# KiCad board processed.kicad_pcb (continued)
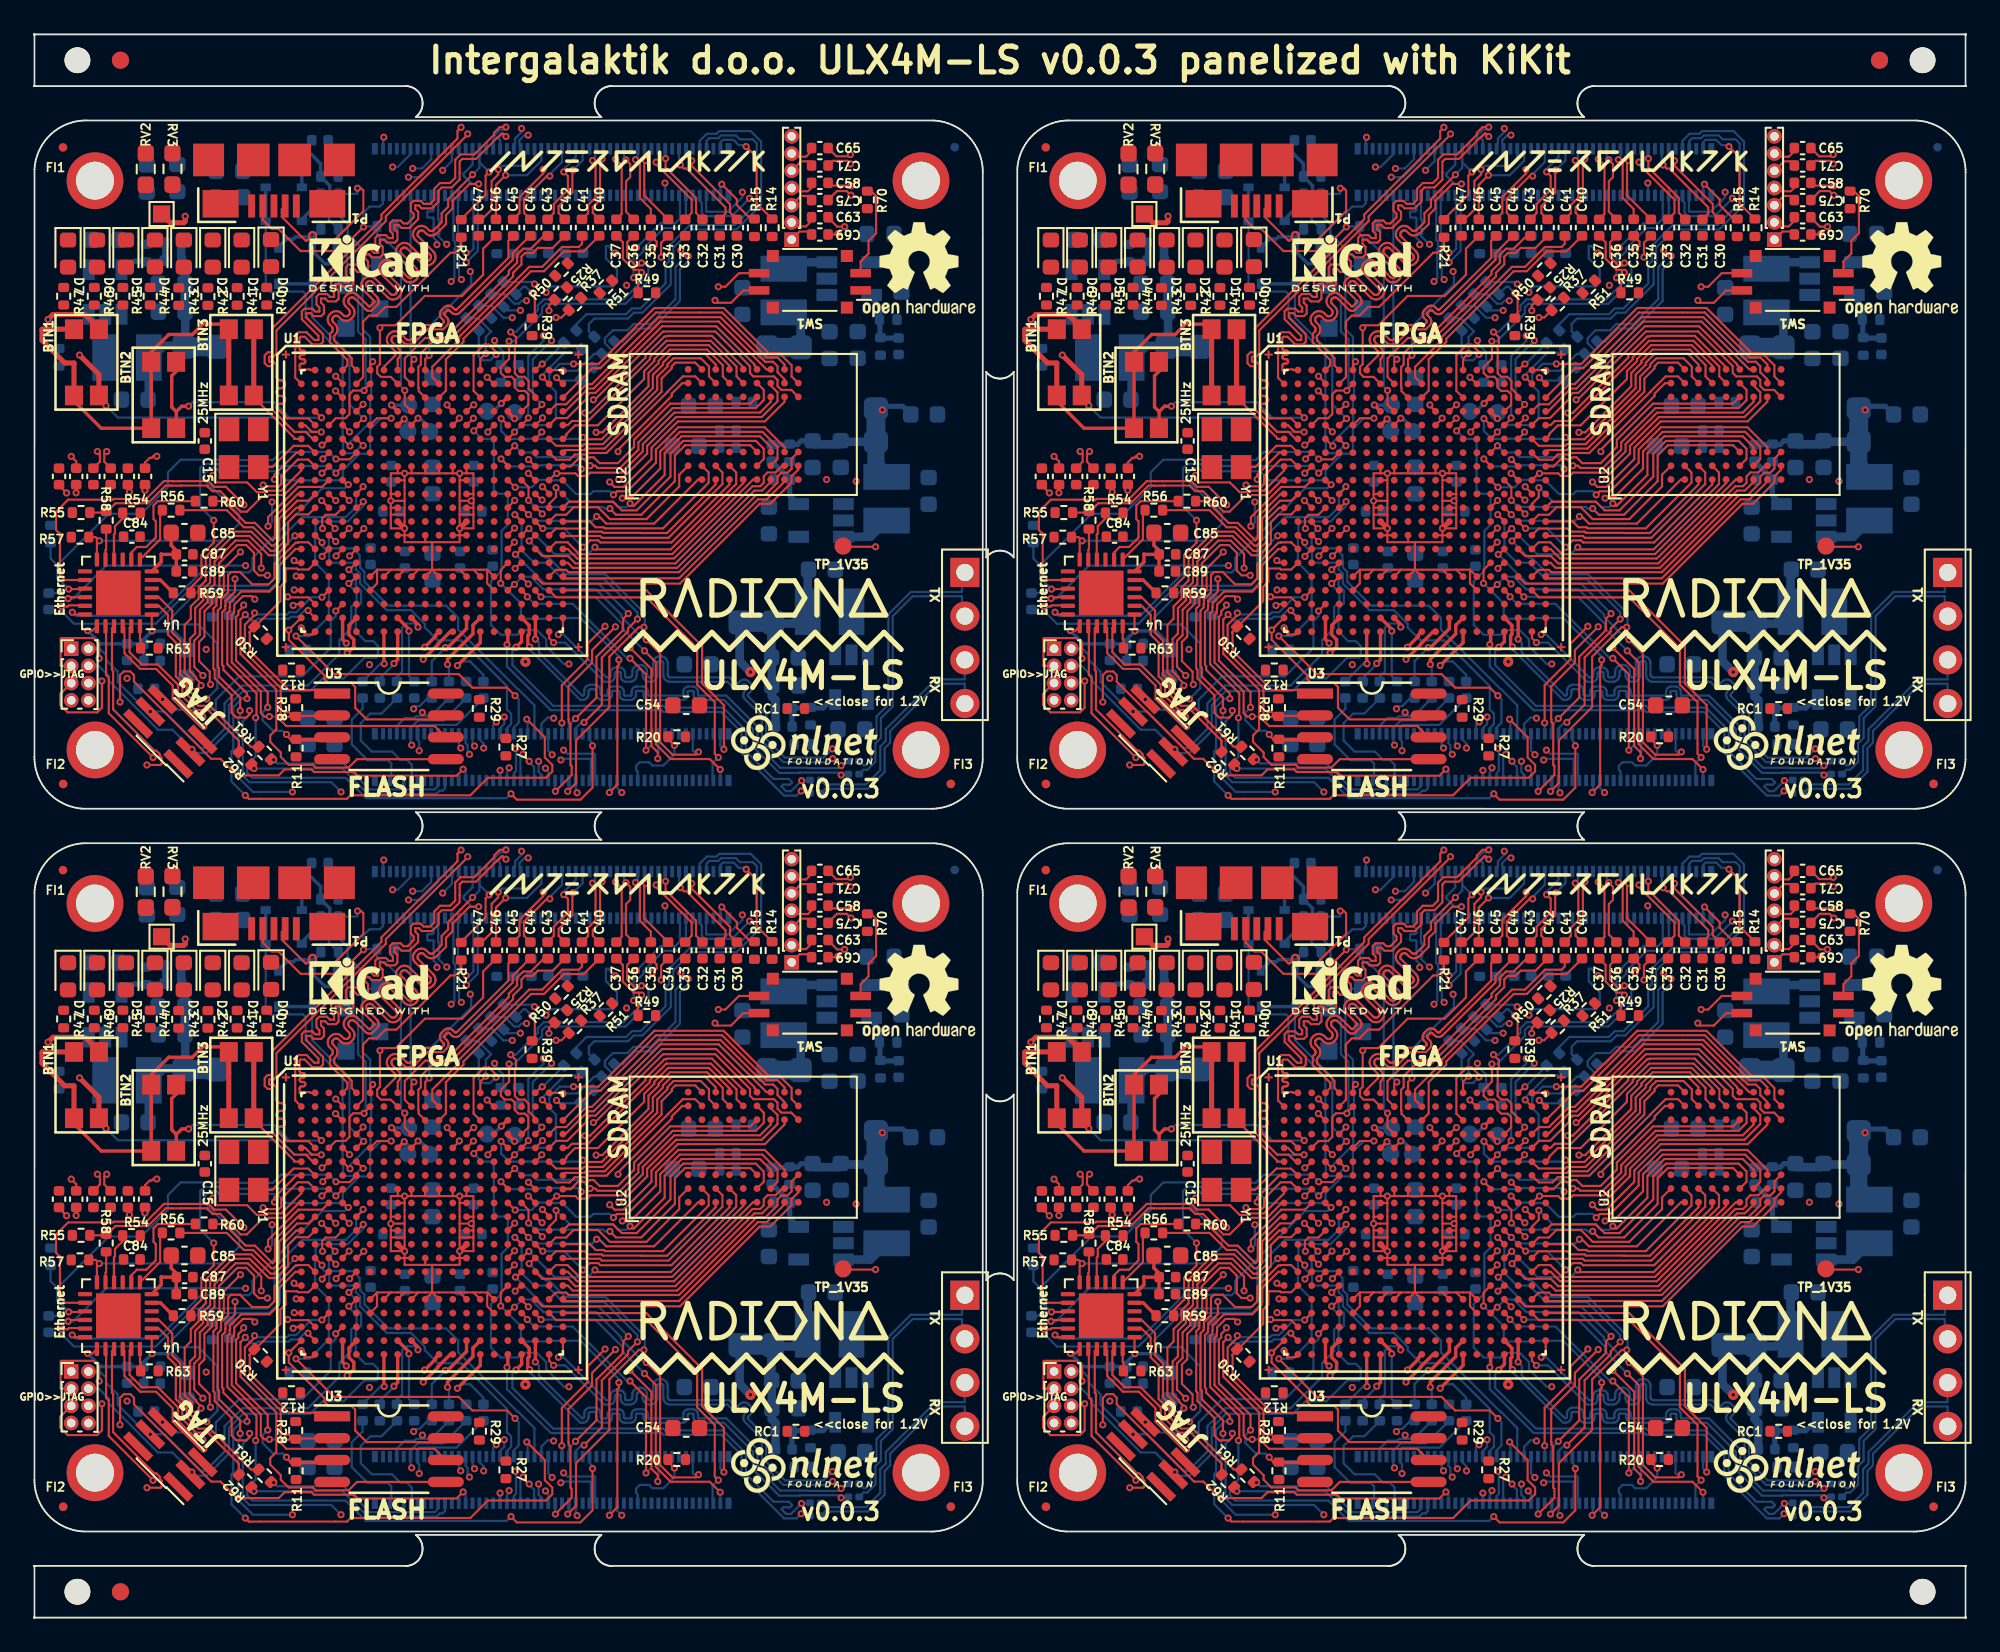
[diagram p0: board, top side]
## Nets (continued)
Board_0-SDRAM_nCS: U1.D20 U2.G9
Board_0-SDRAM_nRAS: U1.G16 U2.F8
Board_0-SDRAM_nWE: U1.E19 U2.F9
Board_0-SRCLK1N: C69.2 J5.1
Board_0-SRCLK1P: C63.1 J5.2
Board_0-SRX11N: C71.2 J5.5
Board_0-SRX11P: C65.1 J5.6
Board_0-STX11N: C75.2 J5.3
Board_0-STX11P: C58.1 J5.4
Board_0-SW1: SW1.4 U1.L18
Board_0-SW2: SW1.3 U1.K18
Board_0-US2_ID: J2.1 P1.4 R19.1 U1.D9
Board_0-USB_FPGA_D+: D8.1 R2.2 R4.2 R5.2 U1.A6 U1.F4
Board_0-USB_FPGA_D-: D9.1 R1.2 R6.2 R7.2 U1.B6 U1.E3
Board_0-USB_FPGA_PULL_D+: D10.2 D11.1 U1.F5
Board_0-USB_FPGA_PULL_D-: D12.2 D13.1 U1.E5
Board_0-USB_N: P1.2 R1.1
Board_1-+1V1: 1.1V_1#4.1 RP1#2.2 U1#2.H8 U1#2.H9 U1#2.H10 U1#2.H11 U1#2.H12 U1#2.H13 U1#2.J8 U1#2.J13 U1#2.K8 U1#2.K13 U1#2.L8 U1#2.L13 U1#2.M8 U1#2.M13 U1#2.N8 U1#2.N9 U1#2.N10 U1#2.N12 U1#2.N13 U1#2.T6 U1#2.T7 U1#2.T8 U1#2.T9 U1#2.T10 U1#2.T11 U1#2.T13 U1#2.T14 U1#2.T15 U1#2.U6 U1#2.U15
Board_1-+1V35: C98#2.1 RP4#2.2 TP_1V35#2.1
Board_1-+3.3VA: C86#2.1 C88#2.1 C90#2.1 FB1#2.2 U4#2.1 U4#2.19
Board_1-/ethernet/ACTLED: R61#2.2 U4#2.3
Board_1-/ethernet/LINKLED: R62#2.2 U4#2.2
Board_1-/ethernet/RBIAS: R63#2.1 U4#2.24
Board_1-/ethernet/XTAL: R59#2.1 U4#2.5
Board_1-/flash/FLASH_MISO: U1#2.V2 U3#2.2
Board_1-/flash/FLASH_MOSI: U1#2.W2 U3#2.5
Board_1-/flash/FLASH_nCS: U1#2.R2 U3#2.1
Board_1-/flash/FLASH_nHOLD: U1#2.W1 U3#2.7
Board_1-/flash/FLASH_nWP: U1#2.Y2 U3#2.3
Board_1-/flash/FLASH_SCK: U1#2.U3 U3#2.6
Board_1-/gpio/CAM0_D0_LP: R21#2.2 U1#2.B5
Board_1-/power/FB1: C2#2.2 U5#2.5
Board_1-/power/FB2: C10#2.2 U6#2.5
Board_1-/power/FB3: C6#2.2 U7#2.5
Board_1-/power/FB4: C77#2.2 U8#2.5
Board_1-/power/L3: L3#2.1 U7#2.3
Board_1-/power/L4: L4#2.1 U8#2.3
Board_1-/serdes/1N: C91#2.1 J4#2.1
Board_1-/serdes/1P: C92#2.1 J4#2.2
Board_1-/serdes/2N: C93#2.1 J4#2.3
Board_1-/serdes/2P: C94#2.1 J4#2.4
Board_1-/serdes/CLK_0_N: C66#2.1 U1#2.Y12
Board_1-/serdes/CLK_0_P: C59#2.2 U1#2.Y11
Board_1-/serdes/CLK_1_N: C69#2.1 U1#2.W20
Board_1-/serdes/CLK_1_P: C63#2.2 U1#2.Y19
Board_1-/serdes/S_1_N: C68#2.1 U1#2.Y8
Board_1-/serdes/S_1_P: C62#2.2 U1#2.Y7
Board_1-/serdes/S_2_N: C72#2.1 U1#2.W5
Board_1-/serdes/S_2_P: C55#2.2 U1#2.W4
Board_1-/serdes/S_3_N: C73#2.1 U1#2.W9
Board_1-/serdes/S_3_P: C56#2.2 U1#2.W8
Board_1-/serdes/S_4_P: C64#2.2 U1#2.Y14
Board_1-/serdes/S_5_N: C71#2.1 C93#2.2 U1#2.Y17
Board_1-/serdes/S_5_P: C65#2.2 C94#2.2 U1#2.Y16
Board_1-/serdes/S_6_N: C74#2.1 U1#2.W14
Board_1-/serdes/S_6_P: C57#2.2 U1#2.W13
Board_1-/serdes/S_7_N: C75#2.1 C91#2.2 U1#2.W18
Board_1-/serdes/S_7_P: C58#2.2 C92#2.2 U1#2.W17
Board_1-BTN1: BTN1#2.2 U1#2.E1
Board_1-BTN2: BTN2#2.2 U1#2.D2
Board_1-BTN3: BTN3#2.2 U1#2.F1
Board_1-CAM0_C_N: J2#2.40 U1#2.E2
Board_1-CAM0_C_P: J2#2.42 U1#2.F2
Board_1-CAM0_D0_N: J2#2.28 U1#2.A5
Board_1-CAM0_D0_P: J2#2.30 R21#2.1 U1#2.A4
Board_1-CAM0_D1_N: J2#2.34 U1#2.B1
Board_1-CAM0_D1_P: J2#2.36 U1#2.A2
Board_1-CAM1_C_N: J2#2.27 U1#2.F3
Board_1-CAM1_C_P: J2#2.29 U1#2.G3
Board_1-CAM1_D0_N: J2#2.15 U1#2.B4
Board_1-CAM1_D0_P: J2#2.17 U1#2.C4
Board_1-CAM1_D1_N: J2#2.21 U1#2.D5
Board_1-CAM1_D1_P: J2#2.23 U1#2.E4
Board_1-Camera_GPIO: J1#2.97 U1#2.U19
Board_1-CLK_25MHz: U1#2.G2 Y1#2.3
Board_1-CM4_1.8V: J1#2.88 J1#2.90
Board_1-DSI0_C_N: J2#2.87 R38#2.2 R39#2.1
Board_1-DSI0_C_P: J2#2.89 R26#2.1 R49#2.1
Board_1-DSI0_D1_P: J2#2.83 R24#2.1 R52#2.1
Board_1-DSI1_D2_N: J2#2.93 R34#2.2
Board_1-DSI1_D2_P: J2#2.95 R22#2.1
Board_1-DSI1_D3_N: J2#2.94 R35#2.2
Board_1-DSI1_D3_P: J2#2.96 R23#2.1
Board_1-ETH_0N: C70#2.2 J1#2.10 U4#2.20
Board_1-ETH_0P: C64#2.1 J1#2.12 U4#2.21
Board_1-ETH_1N: C74#2.2 J1#2.6 U4#2.22
Board_1-ETH_1P: C57#2.1 U4#2.23
Board_1-ETH_2N: C73#2.2 J1#2.9
Board_1-ETH_3P: C62#2.1 J1#2.3
Board_1-ETH_MDIO: R57#2.2 U1#2.E6 U4#2.12
Board_1-ETH_nLED1: J1#2.19 R62#2.1
Board_1-ETH_nLED2: J1#2.17 R61#2.1
Board_1-ETH_~{RESET}: C83#2.2 R53#2.2 U1#2.G5 U4#2.15
Board_1-FPDI_D1+: C35#2.1 U1#2.D18
Board_1-FPDI_D1-: C34#4.1 U1#2.E17
Board_1-FPDI_D2+: C37#2.1 U1#2.C18
Board_1-FPDI_D2-: C36#2.1 U1#2.D17
Board_1-GLOBAL_EN: J1#2.99 U1#2.U18
Board_1-GN0: C40#2.1 U1#2.C11
Board_1-GN3: C42#2.1 U1#2.C10
Board_1-GN4: C44#2.1 U1#2.A8
Board_1-GN5: C46#2.1 U1#2.B8
Board_1-GP0: C41#2.1 U1#2.B11
Board_1-GP3: C43#2.1 U1#2.B9
Board_1-GP4: C45#2.1 U1#2.A7
Board_1-GPIO2: J1#2.58 U1#2.M17
Board_1-GPIO3: J1#2.56 U1#2.P17
Board_1-GPIO4: J1#2.54 U1#2.P16
Board_1-GPIO5: J1#2.34 U1#2.N1
Board_1-GPIO6: J1#2.30 U1#2.R1
Board_1-GPIO7: J1#2.37 U1#2.P3
Board_1-GPIO8: J1#2.39 U1#2.P4
Board_1-GPIO9: J1#2.40 U1#2.L5
Board_1-GPIO10: J1#2.44 U1#2.K4
Board_1-GPIO11: J1#2.38 U1#2.N2
Board_1-GPIO12: J6#2.3 U1#2.L2
Board_1-GPIO13: J1#2.28 U1#2.T1
Board_1-GPIO14: J1#2.55 U1#2.N18
Board_1-GPIO15: J1#2.51 U1#2.N16
Board_1-GPIO16: J6#2.5 U1#2.L1
Board_1-GPIO17: J1#2.50 U1#2.H3
Board_1-GPIO18: J1#2.49 U1#2.N5
Board_1-GPIO19: J1#2.26 U1#2.U1
Board_1-GPIO20: J6#2.1 U1#2.L3
Board_1-GPIO21: J1#2.25 J6#2.7 U1#2.L4
Board_1-GPIO22: J1#2.46 U1#2.M3
Board_1-GPIO23: J1#2.47 U1#2.N4
Board_1-GPIO24: J1#2.45 U1#2.N3
Board_1-GPIO25: J1#2.41 U1#2.P5
Board_1-GPIO26: J1#2.24 U1#2.V1
Board_1-GPIO27: J1#2.48 U1#2.R17
Board_1-HDMI0_CLK_N: C30#2.2 J2#2.90
Board_1-HDMI0_CLK_P: C31#2.2 J2#2.88
Board_1-HDMI0_SCL: J2#2.100 R14#2.2
Board_1-HDMI0_SDA: J2#2.99 R15#2.2
Board_1-HDMI0_TX0_N: C32#2.2 J2#2.84
Board_1-HDMI0_TX0_P: C33#2.2 J2#2.82
Board_1-HDMI0_TX1_N: C34#4.2 J2#2.78
Board_1-HDMI0_TX1_P: C35#2.2 J2#2.76
Board_1-HDMI0_TX2_N: C36#2.2 J2#2.72
Board_1-HDMI0_TX2_P: C37#2.2 J2#2.70
Board_1-HDMI1_CLK_N: C40#2.2 J2#2.66
Board_1-HDMI1_CLK_P: C41#2.2 J2#2.64
Board_1-HDMI1_TX0_N: C42#2.2 J2#2.60
Board_1-HDMI1_TX0_P: C43#2.2 J2#2.58
Board_1-HDMI1_TX1_N: C44#2.2 J2#2.54
Board_1-HDMI1_TX1_P: C45#2.2 J2#2.52
Board_1-HDMI1_TX2_N: C46#2.2 J2#2.48
Board_1-HDMI1_TX2_P: C47#2.2 J2#2.46
Board_1-ID_SC: J1#2.35 U1#2.J3
Board_1-ID_SD: J1#2.36 U1#2.H1
Board_1-JTAG_TCK: J6#2.2 U1#2.T5
Board_1-JTAG_TDI: J6#2.4 U1#2.R5
Board_1-JTAG_TDO: J6#2.6 U1#2.V4
Board_1-Net-(BTN1-Pad1): BTN1#2.1 BTN2#2.1 BTN3#2.1
Board_1-Net-(D10-Pad1): D10#2.1 R4#2.1
Board_1-Net-(D11-Pad2): D11#2.2 R5#2.1
Board_1-Net-(D12-Pad1): D12#2.1 R6#2.1
Board_1-Net-(D13-Pad2): D13#2.2 R7#2.1
Board_1-Net-(R22-Pad2): R22#2.2 U1#2.A19
Board_1-Net-(R23-Pad2): R23#2.2 U1#2.A18
Board_1-Net-(R24-Pad2): R24#2.2 U1#2.A14
Board_1-Net-(R25-Pad2): R25#2.2 U1#2.D13
Board_1-Net-(R26-Pad2): R26#2.2 U1#2.D12
Board_1-Net-(R34-Pad1): R34#2.1 U1#2.B20
Board_1-Net-(R35-Pad1): R35#2.1 U1#2.B19
Board_1-Net-(R36-Pad1): R36#2.1 U1#2.C14
Board_1-Net-(R37-Pad1): R37#2.1 U1#2.E13
Board_1-Net-(R38-Pad1): R38#2.1 U1#2.E12
Board_1-Net-(R54-Pad1): R54#2.1 U4#2.10
Board_1-Net-(R56-Pad1): R56#2.1 U4#2.7
Board_1-Net-(R58-Pad2): R58#2.2 U4#2.11
Board_1-Net-(R60-Pad1): R60#2.1 U4#2.8
Board_1-Net-(R70-Pad2): R70#2.2 SW1#2.2
Board_1-Net-(TP_C16-Pad1): TP_C16#2.1 U1#2.C16
Board_1-Net-(TP_D8-Pad1): TP_D8#2.1 U1#2.D8
Board_1-Net-(TP_D16-Pad1): TP_D16#2.1 U1#2.D16
Board_1-Net-(TP_E8-Pad1): TP_E8#2.1 U1#2.E8
Board_1-Net-(TP_E9-Pad1): TP_E9#2.1 U1#2.E9
Board_1-nEXTRST: J1#2.100 U1#2.U20
Board_1-PCIe_CLK_nREQ: J2#2.2 U1#2.A10
Board_1-PCIe_CLK_P: C59#2.1 J2#2.10
Board_1-PCIe_nRST: J2#2.9 U1#2.A9
Board_1-PCIe_RX_N: C67#2.2 J2#2.18
Board_1-PCIe_RX_P: C61#2.1 J2#2.16
Board_1-PCIe_TX_P: C55#2.1 J2#2.22
Board_1-RGMII_REF_CLK: U1#2.H2 U4#2.14
Board_1-RGMII_RX_DV: R55#2.2 R58#2.1 U1#2.J1
Board_1-RGMII_RXD0: R60#2.2 U1#2.K1
Board_1-RGMII_RXD1: R56#2.2 U1#2.K2
Board_1-RGMII_TX_CLK: R59#2.2 U1#2.H4
Board_1-RGMII_TX_EN: U1#2.K3 U4#2.16
Board_1-RGMII_TXD0: U1#2.K5 U4#2.17
Board_1-RGMII_TXD1: U1#2.J4 U4#2.18
Board_1-RUN_PG: J1#2.92 U1#2.U16
Board_1-SCL0: J1#2.80 U1#2.U17
Board_1-SD_CLK: J1#2.57 U1#2.G1
Board_1-SD_CMD: J1#2.62 U1#2.P1
Board_1-SD_D0: J1#2.63 U1#2.B15
Board_1-SD_D1: J1#2.67 U1#2.R16
Board_1-SD_D2: J1#2.69 U1#2.E14
Board_1-SD_D3: J1#2.61 U1#2.P2
Board_1-SD_PWR_ON: J1#2.75 R20#2.1 U1#2.E15
Board_1-SDA0: J1#2.82 U1#2.T17
Board_1-SDRAM_A0: U1#2.H16 U2#2.H7
Board_1-SDRAM_A1: U1#2.D19 U2#2.H8
Board_1-SDRAM_A2: U1#2.F16 U2#2.J8
Board_1-SDRAM_A3: U1#2.E18 U2#2.J7
Board_1-SDRAM_A4: U1#2.T19 U2#2.J3
Board_1-SDRAM_A5: U1#2.T18 U2#2.J2
Board_1-SDRAM_A6: U1#2.J16 U2#2.H3
Board_1-SDRAM_A7: U1#2.P18 U2#2.H2
Board_1-SDRAM_A8: U1#2.T20 U2#2.H1
Board_1-SDRAM_A9: U1#2.L19 U2#2.G3
Board_1-SDRAM_A10: U1#2.C20 U2#2.H9
Board_1-SDRAM_A11: U1#2.K19 U2#2.G2
Board_1-SDRAM_A12: U1#2.R20 U2#2.G1
Board_1-SDRAM_BA0: U1#2.J19 U2#2.G7
Board_1-SDRAM_BA1: U1#2.L16 U2#2.G8
Board_1-SDRAM_CKE: U1#2.J17 U2#2.F3
Board_1-SDRAM_CLK: U1#2.L20 U2#2.F2
Board_1-SDRAM_D0: U1#2.J18 U2#2.A8
Board_1-SDRAM_D1: U1#2.G20 U2#2.B9
Board_1-SDRAM_D2: U1#2.G19 U2#2.B8
Board_1-SDRAM_D3: U1#2.E16 U2#2.C9
Board_1-SDRAM_D4: U1#2.F19 U2#2.C8
Board_1-SDRAM_D5: U1#2.F20 U2#2.D9
Board_1-SDRAM_D6: U1#2.H18 U2#2.D8
Board_1-SDRAM_D7: U1#2.F18 U2#2.E9
Board_1-SDRAM_D8: U1#2.P19 U2#2.E1
Board_1-SDRAM_D9: U1#2.N17 U2#2.D2
Board_1-SDRAM_D10: U1#2.M18 U2#2.D1
Board_1-SDRAM_D11: U1#2.N20 U2#2.C2
Board_1-SDRAM_D12: U1#2.N19 U2#2.C1
Board_1-SDRAM_D13: U1#2.M20 U2#2.B2
Board_1-SDRAM_D14: U1#2.M19 U2#2.A2
Board_1-SDRAM_D15: U1#2.L17 U2#2.B1
Board_1-SDRAM_DQM0: U1#2.E20 U2#2.E8
Board_1-SDRAM_DQM1: U1#2.P20 U2#2.F1
Board_1-SDRAM_nCAS: U1#2.H20 U2#2.F7
Board_1-SDRAM_nCS: U1#2.D20 U2#2.G9
Board_1-SDRAM_nRAS: U1#2.G16 U2#2.F8
Board_1-SDRAM_nWE: U1#2.E19 U2#2.F9
Board_1-SRCLK1N: C69#2.2 J5#2.1
Board_1-SRCLK1P: C63#2.1 J5#2.2
Board_1-SRX11N: C71#2.2 J5#2.5
Board_1-SRX11P: C65#2.1 J5#2.6
Board_1-STX11N: C75#2.2 J5#2.3
Board_1-STX11P: C58#2.1 J5#2.4
Board_1-SW1: SW1#2.4 U1#2.L18
Board_1-SW2: SW1#2.3 U1#2.K18
Board_1-US2_ID: J2#2.1 P1#2.4 R19#2.1 U1#2.D9
Board_1-USB_FPGA_D+: D8#2.1 R2#2.2 R4#2.2 R5#2.2 U1#2.A6 U1#2.F4
Board_1-USB_FPGA_D-: D9#2.1 R1#2.2 R6#2.2 R7#2.2 U1#2.B6 U1#2.E3
Board_1-USB_FPGA_PULL_D+: D10#2.2 D11#2.1 U1#2.F5
Board_1-USB_FPGA_PULL_D-: D12#2.2 D13#2.1 U1#2.E5
Board_1-USB_N: P1#2.2 R1#2.1
Board_2-+1V1: 1.1V_1#2.1 RP1#3.2 U1#3.H8 U1#3.H9 U1#3.H10 U1#3.H11 U1#3.H12 U1#3.H13 U1#3.J8 U1#3.J13 U1#3.K8 U1#3.K13 U1#3.L8 U1#3.L13 U1#3.M8 U1#3.M13 U1#3.N8 U1#3.N9 U1#3.N10 U1#3.N12 U1#3.N13 U1#3.T6 U1#3.T7 U1#3.T8 U1#3.T9 U1#3.T10 U1#3.T11 U1#3.T13 U1#3.T14 U1#3.T15 U1#3.U6 U1#3.U15
Board_2-+1V35: C98#3.1 RP4#3.2 TP_1V35#3.1
Board_2-+3.3VA: C86#3.1 C88#3.1 C90#3.1 FB1#3.2 U4#3.1 U4#3.19
Board_2-/ethernet/ACTLED: R61#3.2 U4#3.3
Board_2-/ethernet/LINKLED: R62#3.2 U4#3.2
Board_2-/ethernet/RBIAS: R63#3.1 U4#3.24
Board_2-/ethernet/XTAL: R59#3.1 U4#3.5
Board_2-/flash/FLASH_MISO: U1#3.V2 U3#3.2
Board_2-/flash/FLASH_MOSI: U1#3.W2 U3#3.5
Board_2-/flash/FLASH_nCS: U1#3.R2 U3#3.1
Board_2-/flash/FLASH_nHOLD: U1#3.W1 U3#3.7
Board_2-/flash/FLASH_nWP: U1#3.Y2 U3#3.3
Board_2-/flash/FLASH_SCK: U1#3.U3 U3#3.6
Board_2-/gpio/CAM0_D0_LP: R21#3.2 U1#3.B5
Board_2-/power/FB1: C2#3.2 U5#3.5
Board_2-/power/FB2: C10#3.2 U6#3.5
Board_2-/power/FB3: C6#3.2 U7#4.5
Board_2-/power/FB4: C77#3.2 U8#4.5
Board_2-/power/L3: L3#3.1 U7#4.3
Board_2-/power/L4: L4#3.1 U8#4.3
Board_2-/serdes/1N: C91#3.1 J4#3.1
Board_2-/serdes/1P: C92#3.1 J4#3.2
Board_2-/serdes/2N: C93#3.1 J4#3.3
Board_2-/serdes/2P: C94#3.1 J4#3.4
Board_2-/serdes/CLK_0_N: C66#3.1 U1#3.Y12
Board_2-/serdes/CLK_0_P: C59#4.2 U1#3.Y11
Board_2-/serdes/CLK_1_N: C69#3.1 U1#3.W20
Board_2-/serdes/CLK_1_P: C63#3.2 U1#3.Y19
Board_2-/serdes/S_1_N: C68#3.1 U1#3.Y8
Board_2-/serdes/S_1_P: C62#3.2 U1#3.Y7
Board_2-/serdes/S_2_N: C72#3.1 U1#3.W5
Board_2-/serdes/S_2_P: C55#3.2 U1#3.W4
Board_2-/serdes/S_3_N: C73#3.1 U1#3.W9
Board_2-/serdes/S_3_P: C56#3.2 U1#3.W8
Board_2-/serdes/S_4_P: C64#3.2 U1#3.Y14
Board_2-/serdes/S_5_N: C71#3.1 C93#3.2 U1#3.Y17
Board_2-/serdes/S_5_P: C65#3.2 C94#3.2 U1#3.Y16
Board_2-/serdes/S_6_N: C74#3.1 U1#3.W14
Board_2-/serdes/S_6_P: C57#3.2 U1#3.W13
Board_2-/serdes/S_7_N: C75#3.1 C91#3.2 U1#3.W18
Board_2-/serdes/S_7_P: C58#3.2 C92#3.2 U1#3.W17
Board_2-BTN1: BTN1#4.2 U1#3.E1
Board_2-BTN2: BTN2#3.2 U1#3.D2
Board_2-BTN3: BTN3#3.2 U1#3.F1
Board_2-CAM0_C_N: J2#3.40 U1#3.E2
Board_2-CAM0_C_P: J2#3.42 U1#3.F2
Board_2-CAM0_D0_N: J2#3.28 U1#3.A5
Board_2-CAM0_D0_P: J2#3.30 R21#3.1 U1#3.A4
Board_2-CAM0_D1_N: J2#3.34 U1#3.B1
Board_2-CAM0_D1_P: J2#3.36 U1#3.A2
Board_2-CAM1_C_N: J2#3.27 U1#3.F3
Board_2-CAM1_C_P: J2#3.29 U1#3.G3
Board_2-CAM1_D0_N: J2#3.15 U1#3.B4
Board_2-CAM1_D0_P: J2#3.17 U1#3.C4
Board_2-CAM1_D1_N: J2#3.21 U1#3.D5
Board_2-CAM1_D1_P: J2#3.23 U1#3.E4
Board_2-Camera_GPIO: J1#3.97 U1#3.U19
Board_2-CLK_25MHz: U1#3.G2 Y1#4.3
Board_2-CM4_1.8V: J1#3.88 J1#3.90
Board_2-DSI0_C_N: J2#3.87 R38#3.2 R39#3.1
Board_2-DSI0_C_P: J2#3.89 R26#3.1 R49#3.1
Board_2-DSI0_D1_P: J2#3.83 R24#3.1 R52#3.1
Board_2-DSI1_D2_N: J2#3.93 R34#3.2
Board_2-DSI1_D2_P: J2#3.95 R22#3.1
Board_2-DSI1_D3_N: J2#3.94 R35#3.2
Board_2-DSI1_D3_P: J2#3.96 R23#3.1
Board_2-ETH_0N: C70#3.2 J1#3.10 U4#3.20
Board_2-ETH_0P: C64#3.1 J1#3.12 U4#3.21
Board_2-ETH_1N: C74#3.2 J1#3.6 U4#3.22
Board_2-ETH_1P: C57#3.1 U4#3.23
Board_2-ETH_2N: C73#3.2 J1#3.9
Board_2-ETH_3P: C62#3.1 J1#3.3
Board_2-ETH_MDIO: R57#3.2 U1#3.E6 U4#3.12
Board_2-ETH_nLED1: J1#3.19 R62#3.1
Board_2-ETH_nLED2: J1#3.17 R61#3.1
Board_2-ETH_~{RESET}: C83#3.2 R53#3.2 U1#3.G5 U4#3.15
Board_2-FPDI_D1+: C35#3.1 U1#3.D18
Board_2-FPDI_D1-: C34#2.1 U1#3.E17
Board_2-FPDI_D2+: C37#3.1 U1#3.C18
Board_2-FPDI_D2-: C36#3.1 U1#3.D17
Board_2-GLOBAL_EN: J1#3.99 U1#3.U18
Board_2-GN0: C40#3.1 U1#3.C11
Board_2-GN3: C42#3.1 U1#3.C10
Board_2-GN4: C44#3.1 U1#3.A8
Board_2-GN5: C46#3.1 U1#3.B8
Board_2-GP0: C41#3.1 U1#3.B11
Board_2-GP3: C43#3.1 U1#3.B9
Board_2-GP4: C45#3.1 U1#3.A7
Board_2-GPIO2: J1#3.58 U1#3.M17
Board_2-GPIO3: J1#3.56 U1#3.P17
Board_2-GPIO4: J1#3.54 U1#3.P16
Board_2-GPIO5: J1#3.34 U1#3.N1
Board_2-GPIO6: J1#3.30 U1#3.R1
Board_2-GPIO7: J1#3.37 U1#3.P3
Board_2-GPIO8: J1#3.39 U1#3.P4
Board_2-GPIO9: J1#3.40 U1#3.L5
Board_2-GPIO10: J1#3.44 U1#3.K4
Board_2-GPIO11: J1#3.38 U1#3.N2
Board_2-GPIO12: J6#3.3 U1#3.L2
Board_2-GPIO13: J1#3.28 U1#3.T1
Board_2-GPIO14: J1#3.55 U1#3.N18
Board_2-GPIO15: J1#3.51 U1#3.N16
Board_2-GPIO16: J6#3.5 U1#3.L1
Board_2-GPIO17: J1#3.50 U1#3.H3
Board_2-GPIO18: J1#3.49 U1#3.N5
Board_2-GPIO19: J1#3.26 U1#3.U1
Board_2-GPIO20: J6#3.1 U1#3.L3
Board_2-GPIO21: J1#3.25 J6#3.7 U1#3.L4
Board_2-GPIO22: J1#3.46 U1#3.M3
Board_2-GPIO23: J1#3.47 U1#3.N4
Board_2-GPIO24: J1#3.45 U1#3.N3
Board_2-GPIO25: J1#3.41 U1#3.P5
Board_2-GPIO26: J1#3.24 U1#3.V1
Board_2-GPIO27: J1#3.48 U1#3.R17
Board_2-HDMI0_CLK_N: C30#3.2 J2#3.90
Board_2-HDMI0_CLK_P: C31#3.2 J2#3.88
Board_2-HDMI0_SCL: J2#3.100 R14#3.2
Board_2-HDMI0_SDA: J2#3.99 R15#3.2
Board_2-HDMI0_TX0_N: C32#3.2 J2#3.84
Board_2-HDMI0_TX0_P: C33#3.2 J2#3.82
Board_2-HDMI0_TX1_N: C34#2.2 J2#3.78
Board_2-HDMI0_TX1_P: C35#3.2 J2#3.76
Board_2-HDMI0_TX2_N: C36#3.2 J2#3.72
Board_2-HDMI0_TX2_P: C37#3.2 J2#3.70
Board_2-HDMI1_CLK_N: C40#3.2 J2#3.66
Board_2-HDMI1_CLK_P: C41#3.2 J2#3.64
Board_2-HDMI1_TX0_N: C42#3.2 J2#3.60
Board_2-HDMI1_TX0_P: C43#3.2 J2#3.58
Board_2-HDMI1_TX1_N: C44#3.2 J2#3.54
Board_2-HDMI1_TX1_P: C45#3.2 J2#3.52
Board_2-HDMI1_TX2_N: C46#3.2 J2#3.48
Board_2-HDMI1_TX2_P: C47#3.2 J2#3.46
Board_2-ID_SC: J1#3.35 U1#3.J3
Board_2-ID_SD: J1#3.36 U1#3.H1
Board_2-JTAG_TCK: J6#3.2 U1#3.T5
Board_2-JTAG_TDI: J6#3.4 U1#3.R5
Board_2-JTAG_TDO: J6#3.6 U1#3.V4
Board_2-Net-(BTN1-Pad1): BTN1#4.1 BTN2#3.1 BTN3#3.1
Board_2-Net-(D10-Pad1): D10#3.1 R4#4.1
Board_2-Net-(D11-Pad2): D11#3.2 R5#3.1
Board_2-Net-(D12-Pad1): D12#3.1 R6#3.1
Board_2-Net-(D13-Pad2): D13#3.2 R7#3.1
Board_2-Net-(R22-Pad2): R22#3.2 U1#3.A19
Board_2-Net-(R23-Pad2): R23#3.2 U1#3.A18
Board_2-Net-(R24-Pad2): R24#3.2 U1#3.A14
Board_2-Net-(R25-Pad2): R25#3.2 U1#3.D13
Board_2-Net-(R26-Pad2): R26#3.2 U1#3.D12
Board_2-Net-(R34-Pad1): R34#3.1 U1#3.B20
Board_2-Net-(R35-Pad1): R35#3.1 U1#3.B19
Board_2-Net-(R36-Pad1): R36#3.1 U1#3.C14
Board_2-Net-(R37-Pad1): R37#4.1 U1#3.E13
Board_2-Net-(R38-Pad1): R38#3.1 U1#3.E12
Board_2-Net-(R54-Pad1): R54#3.1 U4#3.10
Board_2-Net-(R56-Pad1): R56#3.1 U4#3.7
Board_2-Net-(R58-Pad2): R58#3.2 U4#3.11
Board_2-Net-(R60-Pad1): R60#3.1 U4#3.8
Board_2-Net-(R70-Pad2): R70#3.2 SW1#3.2
Board_2-Net-(TP_C16-Pad1): TP_C16#3.1 U1#3.C16
Board_2-Net-(TP_D8-Pad1): TP_D8#3.1 U1#3.D8
Board_2-Net-(TP_D16-Pad1): TP_D16#3.1 U1#3.D16
Board_2-Net-(TP_E8-Pad1): TP_E8#3.1 U1#3.E8
Board_2-Net-(TP_E9-Pad1): TP_E9#3.1 U1#3.E9
Board_2-nEXTRST: J1#3.100 U1#3.U20
Board_2-PCIe_CLK_nREQ: J2#3.2 U1#3.A10
Board_2-PCIe_CLK_P: C59#4.1 J2#3.10
Board_2-PCIe_nRST: J2#3.9 U1#3.A9
Board_2-PCIe_RX_N: C67#3.2 J2#3.18
Board_2-PCIe_RX_P: C61#3.1 J2#3.16
Board_2-PCIe_TX_P: C55#3.1 J2#3.22
Board_2-RGMII_REF_CLK: U1#3.H2 U4#3.14
Board_2-RGMII_RX_DV: R55#3.2 R58#3.1 U1#3.J1
Board_2-RGMII_RXD0: R60#3.2 U1#3.K1
Board_2-RGMII_RXD1: R56#3.2 U1#3.K2
Board_2-RGMII_TX_CLK: R59#3.2 U1#3.H4
Board_2-RGMII_TX_EN: U1#3.K3 U4#3.16
Board_2-RGMII_TXD0: U1#3.K5 U4#3.17
Board_2-RGMII_TXD1: U1#3.J4 U4#3.18
Board_2-RUN_PG: J1#3.92 U1#3.U16
Board_2-SCL0: J1#3.80 U1#3.U17
Board_2-SD_CLK: J1#3.57 U1#3.G1
Board_2-SD_CMD: J1#3.62 U1#3.P1
Board_2-SD_D0: J1#3.63 U1#3.B15
Board_2-SD_D1: J1#3.67 U1#3.R16
Board_2-SD_D2: J1#3.69 U1#3.E14
Board_2-SD_D3: J1#3.61 U1#3.P2
Board_2-SD_PWR_ON: J1#3.75 R20#3.1 U1#3.E15
Board_2-SDA0: J1#3.82 U1#3.T17
Board_2-SDRAM_A0: U1#3.H16 U2#3.H7
Board_2-SDRAM_A1: U1#3.D19 U2#3.H8
Board_2-SDRAM_A2: U1#3.F16 U2#3.J8
Board_2-SDRAM_A3: U1#3.E18 U2#3.J7
Board_2-SDRAM_A4: U1#3.T19 U2#3.J3
Board_2-SDRAM_A5: U1#3.T18 U2#3.J2
Board_2-SDRAM_A6: U1#3.J16 U2#3.H3
Board_2-SDRAM_A7: U1#3.P18 U2#3.H2
Board_2-SDRAM_A8: U1#3.T20 U2#3.H1
Board_2-SDRAM_A9: U1#3.L19 U2#3.G3
Board_2-SDRAM_A10: U1#3.C20 U2#3.H9
Board_2-SDRAM_A11: U1#3.K19 U2#3.G2
Board_2-SDRAM_A12: U1#3.R20 U2#3.G1
Board_2-SDRAM_BA0: U1#3.J19 U2#3.G7
Board_2-SDRAM_BA1: U1#3.L16 U2#3.G8
Board_2-SDRAM_CKE: U1#3.J17 U2#3.F3
Board_2-SDRAM_CLK: U1#3.L20 U2#3.F2
Board_2-SDRAM_D0: U1#3.J18 U2#3.A8
Board_2-SDRAM_D1: U1#3.G20 U2#3.B9
Board_2-SDRAM_D2: U1#3.G19 U2#3.B8
Board_2-SDRAM_D3: U1#3.E16 U2#3.C9
Board_2-SDRAM_D4: U1#3.F19 U2#3.C8
Board_2-SDRAM_D5: U1#3.F20 U2#3.D9
Board_2-SDRAM_D6: U1#3.H18 U2#3.D8
Board_2-SDRAM_D7: U1#3.F18 U2#3.E9
Board_2-SDRAM_D8: U1#3.P19 U2#3.E1
Board_2-SDRAM_D9: U1#3.N17 U2#3.D2
Board_2-SDRAM_D10: U1#3.M18 U2#3.D1
Board_2-SDRAM_D11: U1#3.N20 U2#3.C2
Board_2-SDRAM_D12: U1#3.N19 U2#3.C1
Board_2-SDRAM_D13: U1#3.M20 U2#3.B2
Board_2-SDRAM_D14: U1#3.M19 U2#3.A2
Board_2-SDRAM_D15: U1#3.L17 U2#3.B1
Board_2-SDRAM_DQM0: U1#3.E20 U2#3.E8
Board_2-SDRAM_DQM1: U1#3.P20 U2#3.F1
Board_2-SDRAM_nCAS: U1#3.H20 U2#3.F7
Board_2-SDRAM_nCS: U1#3.D20 U2#3.G9
Board_2-SDRAM_nRAS: U1#3.G16 U2#3.F8
Board_2-SDRAM_nWE: U1#3.E19 U2#3.F9
Board_2-SRCLK1N: C69#3.2 J5#3.1
Board_2-SRCLK1P: C63#3.1 J5#3.2
Board_2-SRX11N: C71#3.2 J5#3.5
Board_2-SRX11P: C65#3.1 J5#3.6
Board_2-STX11N: C75#3.2 J5#3.3
Board_2-STX11P: C58#3.1 J5#3.4
Board_2-SW1: SW1#3.4 U1#3.L18
Board_2-SW2: SW1#3.3 U1#3.K18
Board_2-US2_ID: J2#3.1 P1#3.4 R19#3.1 U1#3.D9
Board_2-USB_FPGA_D+: D8#3.1 R2#3.2 R4#4.2 R5#3.2 U1#3.A6 U1#3.F4
Board_2-USB_FPGA_D-: D9#3.1 R1#3.2 R6#3.2 R7#3.2 U1#3.B6 U1#3.E3
Board_2-USB_FPGA_PULL_D+: D10#3.2 D11#3.1 U1#3.F5
Board_2-USB_FPGA_PULL_D-: D12#3.2 D13#3.1 U1#3.E5
Board_2-USB_N: P1#3.2 R1#3.1
Board_3-+1V1: 1.1V_1#3.1 RP1#4.2 U1#4.H8 U1#4.H9 U1#4.H10 U1#4.H11 U1#4.H12 U1#4.H13 U1#4.J8 U1#4.J13 U1#4.K8 U1#4.K13 U1#4.L8 U1#4.L13 U1#4.M8 U1#4.M13 U1#4.N8 U1#4.N9 U1#4.N10 U1#4.N12 U1#4.N13 U1#4.T6 U1#4.T7 U1#4.T8 U1#4.T9 U1#4.T10 U1#4.T11 U1#4.T13 U1#4.T14 U1#4.T15 U1#4.U6 U1#4.U15
Board_3-+1V35: C98#4.1 RP4#4.2 TP_1V35#4.1
Board_3-+3.3VA: C86#4.1 C88#4.1 C90#4.1 FB1#4.2 U4#4.1 U4#4.19
Board_3-/ethernet/ACTLED: R61#4.2 U4#4.3
Board_3-/ethernet/LINKLED: R62#4.2 U4#4.2
Board_3-/ethernet/RBIAS: R63#4.1 U4#4.24
Board_3-/ethernet/XTAL: R59#4.1 U4#4.5
Board_3-/flash/FLASH_MISO: U1#4.V2 U3#4.2
Board_3-/flash/FLASH_MOSI: U1#4.W2 U3#4.5
Board_3-/flash/FLASH_nCS: U1#4.R2 U3#4.1
Board_3-/flash/FLASH_nHOLD: U1#4.W1 U3#4.7
Board_3-/flash/FLASH_nWP: U1#4.Y2 U3#4.3
Board_3-/flash/FLASH_SCK: U1#4.U3 U3#4.6
Board_3-/gpio/CAM0_D0_LP: R21#4.2 U1#4.B5
Board_3-/power/FB1: C2#4.2 U5#4.5
Board_3-/power/FB2: C10#4.2 U6#4.5
Board_3-/power/FB3: C6#4.2 U7#3.5
Board_3-/power/FB4: C77#4.2 U8#3.5
Board_3-/power/L3: L3#4.1 U7#3.3
Board_3-/power/L4: L4#4.1 U8#3.3
Board_3-/serdes/1N: C91#4.1 J4#4.1
Board_3-/serdes/1P: C92#4.1 J4#4.2
Board_3-/serdes/2N: C93#4.1 J4#4.3
Board_3-/serdes/2P: C94#4.1 J4#4.4
Board_3-/serdes/CLK_0_N: C66#4.1 U1#4.Y12
Board_3-/serdes/CLK_0_P: C59#3.2 U1#4.Y11
Board_3-/serdes/CLK_1_N: C69#4.1 U1#4.W20
Board_3-/serdes/CLK_1_P: C63#4.2 U1#4.Y19
Board_3-/serdes/S_1_N: C68#4.1 U1#4.Y8
Board_3-/serdes/S_1_P: C62#4.2 U1#4.Y7
Board_3-/serdes/S_2_N: C72#4.1 U1#4.W5
Board_3-/serdes/S_2_P: C55#4.2 U1#4.W4
Board_3-/serdes/S_3_N: C73#4.1 U1#4.W9
Board_3-/serdes/S_3_P: C56#4.2 U1#4.W8
Board_3-/serdes/S_4_P: C64#4.2 U1#4.Y14
Board_3-/serdes/S_5_N: C71#4.1 C93#4.2 U1#4.Y17
Board_3-/serdes/S_5_P: C65#4.2 C94#4.2 U1#4.Y16
Board_3-/serdes/S_6_N: C74#4.1 U1#4.W14
Board_3-/serdes/S_6_P: C57#4.2 U1#4.W13
Board_3-/serdes/S_7_N: C75#4.1 C91#4.2 U1#4.W18
Board_3-/serdes/S_7_P: C58#4.2 C92#4.2 U1#4.W17
Board_3-BTN1: BTN1#3.2 U1#4.E1
Board_3-BTN2: BTN2#4.2 U1#4.D2
Board_3-BTN3: BTN3#4.2 U1#4.F1
Board_3-CAM0_C_N: J2#4.40 U1#4.E2
Board_3-CAM0_C_P: J2#4.42 U1#4.F2
Board_3-CAM0_D0_N: J2#4.28 U1#4.A5
Board_3-CAM0_D0_P: J2#4.30 R21#4.1 U1#4.A4
Board_3-CAM0_D1_N: J2#4.34 U1#4.B1
Board_3-CAM0_D1_P: J2#4.36 U1#4.A2
Board_3-CAM1_C_N: J2#4.27 U1#4.F3
Board_3-CAM1_C_P: J2#4.29 U1#4.G3
Board_3-CAM1_D0_N: J2#4.15 U1#4.B4
Board_3-CAM1_D0_P: J2#4.17 U1#4.C4
Board_3-CAM1_D1_N: J2#4.21 U1#4.D5
Board_3-CAM1_D1_P: J2#4.23 U1#4.E4
Board_3-Camera_GPIO: J1#4.97 U1#4.U19
Board_3-CLK_25MHz: U1#4.G2 Y1#3.3
Board_3-CM4_1.8V: J1#4.88 J1#4.90
Board_3-DSI0_C_N: J2#4.87 R38#4.2 R39#4.1
Board_3-DSI0_C_P: J2#4.89 R26#4.1 R49#4.1
Board_3-DSI0_D1_P: J2#4.83 R24#4.1 R52#4.1
Board_3-DSI1_D2_N: J2#4.93 R34#4.2
Board_3-DSI1_D2_P: J2#4.95 R22#4.1
Board_3-DSI1_D3_N: J2#4.94 R35#4.2
Board_3-DSI1_D3_P: J2#4.96 R23#4.1
Board_3-ETH_0N: C70#4.2 J1#4.10 U4#4.20
Board_3-ETH_0P: C64#4.1 J1#4.12 U4#4.21
Board_3-ETH_1N: C74#4.2 J1#4.6 U4#4.22
Board_3-ETH_1P: C57#4.1 U4#4.23
Board_3-ETH_2N: C73#4.2 J1#4.9
Board_3-ETH_3P: C62#4.1 J1#4.3
Board_3-ETH_MDIO: R57#4.2 U1#4.E6 U4#4.12
Board_3-ETH_nLED1: J1#4.19 R62#4.1
Board_3-ETH_nLED2: J1#4.17 R61#4.1
Board_3-ETH_~{RESET}: C83#4.2 R53#4.2 U1#4.G5 U4#4.15
Board_3-FPDI_D1+: C35#4.1 U1#4.D18
Board_3-FPDI_D1-: C34#3.1 U1#4.E17
Board_3-FPDI_D2+: C37#4.1 U1#4.C18
Board_3-FPDI_D2-: C36#4.1 U1#4.D17
Board_3-GLOBAL_EN: J1#4.99 U1#4.U18
Board_3-GN0: C40#4.1 U1#4.C11
Board_3-GN3: C42#4.1 U1#4.C10
Board_3-GN4: C44#4.1 U1#4.A8
Board_3-GN5: C46#4.1 U1#4.B8
Board_3-GP0: C41#4.1 U1#4.B11
Board_3-GP3: C43#4.1 U1#4.B9
Board_3-GP4: C45#4.1 U1#4.A7
Board_3-GPIO2: J1#4.58 U1#4.M17
Board_3-GPIO3: J1#4.56 U1#4.P17
Board_3-GPIO4: J1#4.54 U1#4.P16
Board_3-GPIO5: J1#4.34 U1#4.N1
Board_3-GPIO6: J1#4.30 U1#4.R1
Board_3-GPIO7: J1#4.37 U1#4.P3
Board_3-GPIO8: J1#4.39 U1#4.P4
Board_3-GPIO9: J1#4.40 U1#4.L5
Board_3-GPIO10: J1#4.44 U1#4.K4
Board_3-GPIO11: J1#4.38 U1#4.N2
Board_3-GPIO12: J6#4.3 U1#4.L2
Board_3-GPIO13: J1#4.28 U1#4.T1
Board_3-GPIO14: J1#4.55 U1#4.N18
Board_3-GPIO15: J1#4.51 U1#4.N16
Board_3-GPIO16: J6#4.5 U1#4.L1
Board_3-GPIO17: J1#4.50 U1#4.H3
Board_3-GPIO18: J1#4.49 U1#4.N5
Board_3-GPIO19: J1#4.26 U1#4.U1
Board_3-GPIO20: J6#4.1 U1#4.L3
Board_3-GPIO21: J1#4.25 J6#4.7 U1#4.L4
Board_3-GPIO22: J1#4.46 U1#4.M3
Board_3-GPIO23: J1#4.47 U1#4.N4
Board_3-GPIO24: J1#4.45 U1#4.N3
Board_3-GPIO25: J1#4.41 U1#4.P5
Board_3-GPIO26: J1#4.24 U1#4.V1
Board_3-GPIO27: J1#4.48 U1#4.R17
Board_3-HDMI0_CLK_N: C30#4.2 J2#4.90
Board_3-HDMI0_CLK_P: C31#4.2 J2#4.88
Board_3-HDMI0_SCL: J2#4.100 R14#4.2
Board_3-HDMI0_SDA: J2#4.99 R15#4.2
Board_3-HDMI0_TX0_N: C32#4.2 J2#4.84
Board_3-HDMI0_TX0_P: C33#4.2 J2#4.82
Board_3-HDMI0_TX1_N: C34#3.2 J2#4.78
Board_3-HDMI0_TX1_P: C35#4.2 J2#4.76
Board_3-HDMI0_TX2_N: C36#4.2 J2#4.72
Board_3-HDMI0_TX2_P: C37#4.2 J2#4.70
Board_3-HDMI1_CLK_N: C40#4.2 J2#4.66
Board_3-HDMI1_CLK_P: C41#4.2 J2#4.64
Board_3-HDMI1_TX0_N: C42#4.2 J2#4.60
Board_3-HDMI1_TX0_P: C43#4.2 J2#4.58
Board_3-HDMI1_TX1_N: C44#4.2 J2#4.54
Board_3-HDMI1_TX1_P: C45#4.2 J2#4.52
Board_3-HDMI1_TX2_N: C46#4.2 J2#4.48
Board_3-HDMI1_TX2_P: C47#4.2 J2#4.46
Board_3-ID_SC: J1#4.35 U1#4.J3
Board_3-ID_SD: J1#4.36 U1#4.H1
Board_3-JTAG_TCK: J6#4.2 U1#4.T5
Board_3-JTAG_TDI: J6#4.4 U1#4.R5
Board_3-JTAG_TDO: J6#4.6 U1#4.V4
Board_3-Net-(BTN1-Pad1): BTN1#3.1 BTN2#4.1 BTN3#4.1
Board_3-Net-(D10-Pad1): D10#4.1 R4#3.1
Board_3-Net-(D11-Pad2): D11#4.2 R5#4.1
Board_3-Net-(D12-Pad1): D12#4.1 R6#4.1
Board_3-Net-(D13-Pad2): D13#4.2 R7#4.1
Board_3-Net-(R22-Pad2): R22#4.2 U1#4.A19
Board_3-Net-(R23-Pad2): R23#4.2 U1#4.A18
Board_3-Net-(R24-Pad2): R24#4.2 U1#4.A14
Board_3-Net-(R25-Pad2): R25#4.2 U1#4.D13
Board_3-Net-(R26-Pad2): R26#4.2 U1#4.D12
Board_3-Net-(R34-Pad1): R34#4.1 U1#4.B20
Board_3-Net-(R35-Pad1): R35#4.1 U1#4.B19
Board_3-Net-(R36-Pad1): R36#4.1 U1#4.C14
Board_3-Net-(R37-Pad1): R37#3.1 U1#4.E13
Board_3-Net-(R38-Pad1): R38#4.1 U1#4.E12
Board_3-Net-(R54-Pad1): R54#4.1 U4#4.10
Board_3-Net-(R56-Pad1): R56#4.1 U4#4.7
Board_3-Net-(R58-Pad2): R58#4.2 U4#4.11
Board_3-Net-(R60-Pad1): R60#4.1 U4#4.8
Board_3-Net-(R70-Pad2): R70#4.2 SW1#4.2
Board_3-Net-(TP_C16-Pad1): TP_C16#4.1 U1#4.C16
Board_3-Net-(TP_D8-Pad1): TP_D8#4.1 U1#4.D8
Board_3-Net-(TP_D16-Pad1): TP_D16#4.1 U1#4.D16
Board_3-Net-(TP_E8-Pad1): TP_E8#4.1 U1#4.E8
Board_3-Net-(TP_E9-Pad1): TP_E9#4.1 U1#4.E9
Board_3-nEXTRST: J1#4.100 U1#4.U20
Board_3-PCIe_CLK_nREQ: J2#4.2 U1#4.A10
Board_3-PCIe_CLK_P: C59#3.1 J2#4.10
Board_3-PCIe_nRST: J2#4.9 U1#4.A9
Board_3-PCIe_RX_N: C67#4.2 J2#4.18
Board_3-PCIe_RX_P: C61#4.1 J2#4.16
Board_3-PCIe_TX_P: C55#4.1 J2#4.22
Board_3-RGMII_REF_CLK: U1#4.H2 U4#4.14
Board_3-RGMII_RX_DV: R55#4.2 R58#4.1 U1#4.J1
Board_3-RGMII_RXD0: R60#4.2 U1#4.K1
Board_3-RGMII_RXD1: R56#4.2 U1#4.K2
Board_3-RGMII_TX_CLK: R59#4.2 U1#4.H4
Board_3-RGMII_TX_EN: U1#4.K3 U4#4.16
Board_3-RGMII_TXD0: U1#4.K5 U4#4.17
Board_3-RGMII_TXD1: U1#4.J4 U4#4.18
Board_3-RUN_PG: J1#4.92 U1#4.U16
Board_3-SCL0: J1#4.80 U1#4.U17
Board_3-SD_CLK: J1#4.57 U1#4.G1
Board_3-SD_CMD: J1#4.62 U1#4.P1
Board_3-SD_D0: J1#4.63 U1#4.B15
Board_3-SD_D1: J1#4.67 U1#4.R16
Board_3-SD_D2: J1#4.69 U1#4.E14
Board_3-SD_D3: J1#4.61 U1#4.P2
Board_3-SD_PWR_ON: J1#4.75 R20#4.1 U1#4.E15
Board_3-SDA0: J1#4.82 U1#4.T17
Board_3-SDRAM_A0: U1#4.H16 U2#4.H7
Board_3-SDRAM_A1: U1#4.D19 U2#4.H8
Board_3-SDRAM_A2: U1#4.F16 U2#4.J8
Board_3-SDRAM_A3: U1#4.E18 U2#4.J7
Board_3-SDRAM_A4: U1#4.T19 U2#4.J3
Board_3-SDRAM_A5: U1#4.T18 U2#4.J2
Board_3-SDRAM_A6: U1#4.J16 U2#4.H3
Board_3-SDRAM_A7: U1#4.P18 U2#4.H2
Board_3-SDRAM_A8: U1#4.T20 U2#4.H1
Board_3-SDRAM_A9: U1#4.L19 U2#4.G3
Board_3-SDRAM_A10: U1#4.C20 U2#4.H9
Board_3-SDRAM_A11: U1#4.K19 U2#4.G2
Board_3-SDRAM_A12: U1#4.R20 U2#4.G1
Board_3-SDRAM_BA0: U1#4.J19 U2#4.G7
Board_3-SDRAM_BA1: U1#4.L16 U2#4.G8
Board_3-SDRAM_CKE: U1#4.J17 U2#4.F3
Board_3-SDRAM_CLK: U1#4.L20 U2#4.F2
Board_3-SDRAM_D0: U1#4.J18 U2#4.A8
Board_3-SDRAM_D1: U1#4.G20 U2#4.B9
Board_3-SDRAM_D2: U1#4.G19 U2#4.B8
Board_3-SDRAM_D3: U1#4.E16 U2#4.C9
Board_3-SDRAM_D4: U1#4.F19 U2#4.C8
Board_3-SDRAM_D5: U1#4.F20 U2#4.D9
Board_3-SDRAM_D6: U1#4.H18 U2#4.D8
Board_3-SDRAM_D7: U1#4.F18 U2#4.E9
Board_3-SDRAM_D8: U1#4.P19 U2#4.E1
Board_3-SDRAM_D9: U1#4.N17 U2#4.D2
Board_3-SDRAM_D10: U1#4.M18 U2#4.D1
Board_3-SDRAM_D11: U1#4.N20 U2#4.C2
Board_3-SDRAM_D12: U1#4.N19 U2#4.C1
Board_3-SDRAM_D13: U1#4.M20 U2#4.B2
Board_3-SDRAM_D14: U1#4.M19 U2#4.A2
Board_3-SDRAM_D15: U1#4.L17 U2#4.B1
Board_3-SDRAM_DQM0: U1#4.E20 U2#4.E8
Board_3-SDRAM_DQM1: U1#4.P20 U2#4.F1
Board_3-SDRAM_nCAS: U1#4.H20 U2#4.F7
Board_3-SDRAM_nCS: U1#4.D20 U2#4.G9
Board_3-SDRAM_nRAS: U1#4.G16 U2#4.F8
Board_3-SDRAM_nWE: U1#4.E19 U2#4.F9
Board_3-SRCLK1N: C69#4.2 J5#4.1
Board_3-SRCLK1P: C63#4.1 J5#4.2
Board_3-SRX11N: C71#4.2 J5#4.5
Board_3-SRX11P: C65#4.1 J5#4.6
Board_3-STX11N: C75#4.2 J5#4.3
Board_3-STX11P: C58#4.1 J5#4.4
Board_3-SW1: SW1#4.4 U1#4.L18
Board_3-SW2: SW1#4.3 U1#4.K18
Board_3-US2_ID: J2#4.1 P1#4.4 R19#4.1 U1#4.D9
